# Allegro board BeagleV-FIRE_REV-A_230911.brd (continued)
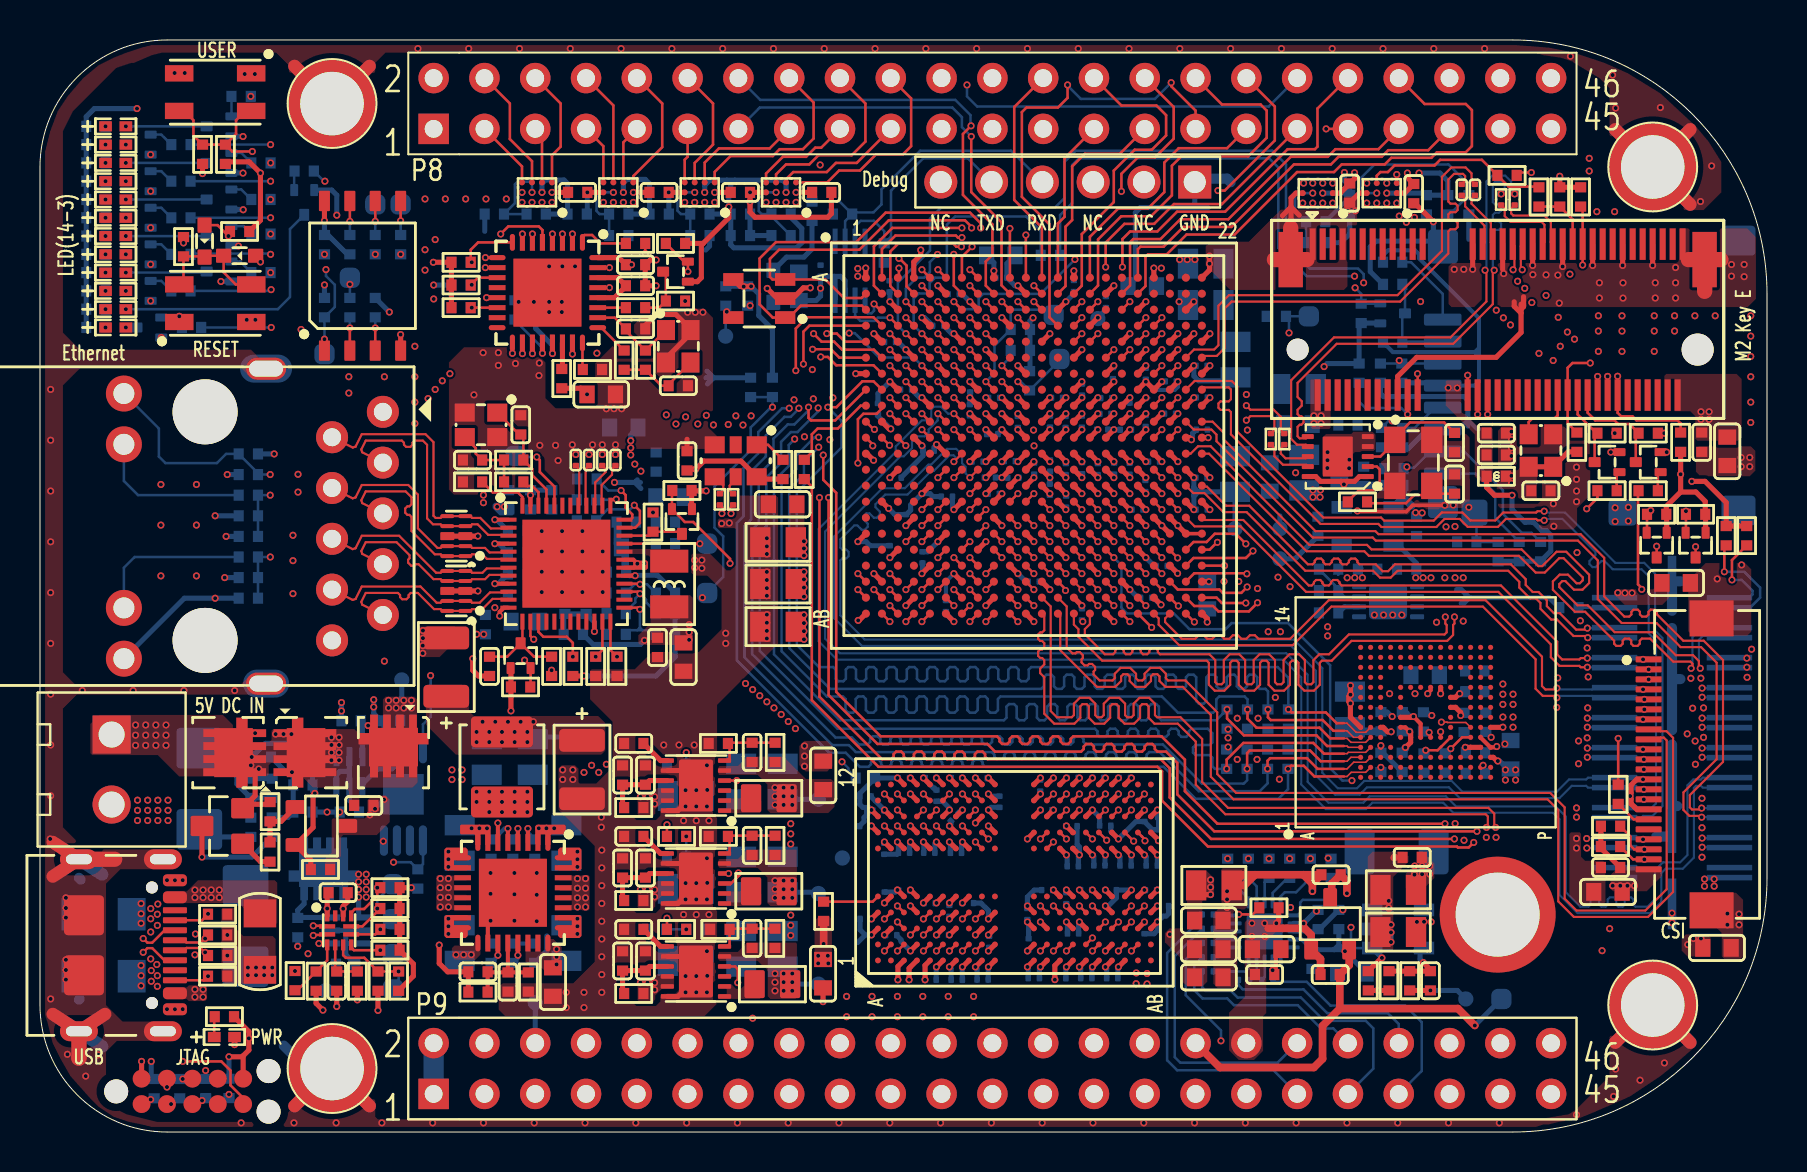
[diagram p0: board, top side]
## Nets (continued)
N8309567: C74.1 U3.C2
N8350787: R18.2 U1.E8
N8350881: R19.1 U1.F7
N8350883: R20.1 U1.E6
N8350930: R21.1 U4.2
N8351005: R22.2 U1.G10
N8351715: R25.2 U4.3(W\P\_IO2)
N8351719: R26.2 U4.7
N8364939: C96.1 R34.2 R182.2 X1.3
N8366836: R38.2 U7.4
N8366838: R37.2 U7.5
N8367372: R39.2 U7.1
N8382887: R48.2 U8.1
N8383143: R64.1 U8.24
N8383947: C105.1 R51.2 R52.2 X2.3
N8393015: C106.1 R53.1 U9.4
N8393358: C111.1 U8.20
N8393972: R62.2 TP13.1(TP) U9.8
N8393976: R59.2 TP12.1(TP) U9.7
N8393980: R58.2 TP11.1(TP) U9.6
N8393984: R57.2 R61.1 TP10.1(TP) U9.5
N8398034: R56.2 R60.1 U9.3
N8404325: C110.1 U8.28 U8.30
N8479704: R72.2 U11.11
N8479744: R73.2 U11.12
N8479810: R74.2 U11.13
N8479866: R75.2 U11.14(SDO)
N8479940: R76.2 U11.15
N8479976: R77.2 U11.16
N8483531: J9.53 R79.2 R262.1
N8483791: J9.60 Q20.2(S) R103.2
N8483949: J9.49 R173.1
N8483961: J9.47 R174.1
N8484033: C132.1 J9.37
N8484079: C133.1 J9.35
N8485397: R105.2 U1.L20
N8485437: R106.2 U1.L19
N8546386: LED6.1 R113.2
N8546388: LED13.1 R124.2
N8546390: LED4.1 R111.2
N8546392: LED10.1 R120.2
N8546394: LED11.1 R122.2
N8546396: LED8.1 R115.2
N8546398: LED14.1 R125.2
N8546400: LED3.1 R110.2
N8546402: LED5.1 R112.2
N8546404: LED12.1 R123.2
N8546406: LED9.1 R116.2
N8546408: LED7.1 R114.2
N8546538: LED12.2(C) Q14.3
N8546540: LED3.2(C) Q3.3
N8546542: LED7.2(C) Q9.3
N8546544: LED8.2(C) Q10.3
N8546546: LED5.2(C) Q5.3
N8546548: LED11.2(C) Q13.3
N8546550: LED6.2(C) Q8.3
N8546552: LED4.2(C) Q4.3
N8546628: LED9.2(C) Q11.3
N8546634: LED10.2(C) Q12.3
N8546642: LED14.2(C) Q16.3
N8546646: LED13.2(C) Q15.3
N8547432: Q4.1 R128.2
N8547443: Q5.1 R129.2
N8547450: Q8.1 R130.2
N8547457: Q9.1 R131.2
N8547464: Q10.1 R132.2
N8547471: Q11.1 R133.2
N8547478: Q12.1 R134.2
N8547485: Q13.1 R135.2
N8547496: Q14.1 R136.2
N8547505: Q15.1 R137.2
N8547512: Q16.1 R127.2
N8547620: Q3.1 R126.2
N8635511: L1.1 U13.11 U13.12 U13.13 U13.14 U13.27 U13.28 U13.29 U13.30(SW_7)
N8649729: L4.1 U20.1 U20.2(SW_1)
N8655619: C210.1 U13.21
N8655986: C208.1 C209.2 R118.1 R119.2 U13.20
N8656945: C210.2 R117.1
N8657269: C207.1 U13.19
N8661156: C211.1 U13.5
N8661333: C212.1 U13.3
N8661743: C213.1 U13.4
N8663962: C214.2 R121.2 R138.1 U20.6
N8666324: C215.1 C216.1 R143.2 U20.9
N8667397: C267.1 R100.2 R151.2 U20.4
N8667551: C217.1 U20.7
N8671550: L2.1 U18.1 U18.2(SW_1)
N8671682: C201.1 C202.1 R144.2 U18.9
N8671690: C27.2 R145.2 R146.1 U18.6
N8671822: C268.1 R101.2 R102.2 U18.4
N8671906: C218.1 U18.7
N8672918: L3.1 U19.1 U19.2(SW_1)
N8673050: C223.1 C224.1 R147.2 U19.9
N8673058: C220.2 R148.2 R149.1 U19.6
N8673274: C225.1 U19.7
N8756795: D5.2 D15.2(C) D16.2(C) SW1.2 SW1.4(B2)
N8756879: D18.2 J6.4 R255.2 U21.2
N8756917: D19.2 J6.5 U21.3
N8759792: Q6.1 R94.2
N8759844: Q7.1 R95.2
N9130688: R107.2 R153.1 U17.7
N9171751: C270.1 U17.6
N9238698: J9.58 Q19.2(S) R154.2
N9311526: R63.2 TP15.1(TP) U22.5(WP)
N9370303: LED1.1 R15.2
N9516908: R156.2 R274.1 U30.C2
N9532681: J2.8 R165.2
N9532886: J2.1 R167.2
N9600567: J8.4 R171.1
N9662314: R175.1 U28.48
N9662960: TP9.1(TP) U28.44
N9693763: TP16.1(TP) U28.33
N9878694: J4.13(YELC) R232.2
N9878723: J4.12 R233.2
N10097642: Q28.3 R212.2 R214.1
N10116085: R244.2 R275.1 U31.C2
N10117897: R245.2 R278.1 U32.C2
N10118713: R246.1 R279.1 U33.C2
N10323308: R247.1 R276.1 U34.C2
N10325048: R248.1 R277.1 U35.C2
N10444089: L6.1 U36.3
N10444145: C311.2 R251.2 R252.1 U36.5
N10515706: R254.2 U3.M6
N10544834: D17.2(C) R255.1
N10555114: P9.9 R263.2
N10796072: C321.1 U38.3 X3.1
N10796077: C322.1 R264.1 X3.3
N10796544: C323.1 C324.1 FB4.2 U38.1 U38.10
N10797068: R264.2 U38.2(XOUT)
N11055587: R266.1 U11.3
N11055591: R267.1 U11.4
N11055595: R268.1 U11.5
N11055599: R269.1 U11.6
N11055603: R270.1 U11.7
N11055607: R271.1 U11.8
N11055611: R272.1 U11.9
N11055643: R273.1 U11.10
N11068846: Q1.4 Q18.3 R141.1
N11068850: Q2.3 Q17.4 R71.1
N11068926: Q18.2 Q18.5 Q18.6 R140.1
N11068938: Q2.2 Q2.5 Q2.6 R1.1
N11074894: C325.2 Q29.4 R226.2 R282.2 R283.1
N11075006: Q30.3 R282.1
N11075022: R155.1 R226.1 R280.2 U39.2(REF)
N11075026: R227.1 R281.2 U39.1
N11075086: Q30.1 R227.2
N11143135: C328.2 Q31.4 R284.2 R285.1

Pads without a net: J3 4 7; J4 10; J5 A8 B8; J6 2 3 6; J7 18; J8 37 38; J9 3 5 6 8 9 10 11 12 13 14 15 16 17 19 21 23 38 40 42 44 46 48 59 61 64 65 66 67 68 70 71 73; U1 A16 A17 A20 A21 B19 B20 B21 B22 C16 C19 C20 C22 D12 D16 D17 D20 D21 D22 E10 E11 E13 E16 F10 F11 F12 F13 F15 G12 G13 G14 G15 G17 H12 H13 H15 H17 M2 M3 M4 M5 N1 N2 N4 N5 P1 P2 P3 P4 P6 P7 R1 R3 R4 T1 T2 T3 T7 U2 U3 U7 V1 V2 V4 V5 W1 W2 W3 W4; U2 A1 A2 A8 A11 A12 AA1 AA12 AB1 AB2 AB11 AB12 B1 B12 G11 H3 J5 K5 K8 N5 N8 P5 R3; U3 A1 A2 A7 A8 A9 A10 A11 A12 A13 A14 B1 B7 B8 B9 B10 B11 B12 B13 B14 C1 C3 C5 C7 C8 C9 C10 C11 C12 C13 C14 D1 D2 D3 D4 D12 D13 D14 E1 E2 E3 E5 E8 E9 E10 E12 E13 E14 F1 F2 F3 F10 F12 F13 F14 G1 G2 G3 G10 G12 G13 G14 H1 H2 H3 H12 H13 H14 J1 J2 J3 J12 J13 J14 K1 K2 K3 K6 K7 K10 K12 K13 K14 L1 L2 L3 L12 L13 L14 M1 M2 M3 M7 M8 M9 M10 M11 M12 M13 M14 N1 N3 N6 N7 N8 N9 N10 N11 N12 N13 N14 P1 P2 P7 P8 P9 P10 P11 P12 P13 P14; U7 2; U8 12 15 16; U9 11; U14 4; U17 5; U19 3; U20 3; U28 16 17 18 19 20 21 26 42 43

## Via types
v1: diameter 0.356, hole 0.203, TOP to BOTTOM, 1830 vias

## Routing (per net, layer and track width the routed paths; a pad name or vN(x,y) marks a point on that pad's centre or on a via; arc(x,y) is an arc through that point)
3V3_SD_CS: length 5
  BOTTOM w0.127: D12.2 68.26,42.26 Q27.3 68.12,40.8 R209.2 68.15,39.53 J2.2
3V3_USB0_RESETB: length 1.4
  TOP w0.127: U8.27 R214.2
AGND: length 6.4
  TOP w0.254: 61.9,10.44 v1(61.82,10.44) 61.94,10.55 R273.2
  TOP w0.381: 1.2 61.42,10.19
  L11_GND5 w0.762: 59.48,5.29 P9.34 ; P9.34 59.48,3.6 ; P9.34 61.17,3.6 ; P9.34 61.17,5.29
  vias: v1(60.6,10.44) v1(60.6,9.79) v1(61.24,10.44) v1(61.24,9.78)
AVDD3V3: length 2.3
  TOP w0.203: U28.1 v1(22.74,30.62) ; v1(22.99,25.81) 22.99,26.01 23.2,26.22 U28.12
  BOTTOM w0.254: v1(22.74,30.62) 22.84,30.62 C288.1 ; v1(22.74,26.22) 22.77,26.22
AVDD10: length 5.7
  TOP w0.203: U28.47 v1(24.52,31.85) ; U28.4 v1(22.74,29.42) ; U28.9 v1(22.74,27.42)
  BOTTOM w0.254: C283.1 22.92,27.42 v1(22.74,27.42) ; R234.1 C99.1 C285.1 ; C284.1 22.94,29.42 v1(22.74,29.42)
  vias: v1(22.17,31.85) v1(22.17,31.47)
DVDD10: length 3.6
  TOP w0.203: U28.22 v1(27.72,25.03)
  BOTTOM w0.254: R221.2 26.19,25.85 C93.1 C92.1 27.72,25.49 v1(27.72,25.03)
GND: length 566.4
  TOP w0.127: v1(70.04,20.02) U3.J5
  TOP w0.178: v1(65.88,31.06) 65.89,31.06 65.93,31.02 68.32,31.02 68.64,31.34 70.25,31.34 ; U1.U22 U1.U21
  TOP w0.203: U13.33 22.4,10.71 U13.18 ; v1(69.39,21.92) 69.39,21.95 69.54,22.09 U3.H10 ; v1(72.85,19.28) 72.81,19.24 U3.P4 72.53,19.24 72.04,19.73 U3.N5 ; v1(72.16,18.34) 72.06,18.24 U3.N2 ; v1(68.68,20.78) 69.04,20.42 U3.G5
  TOP w0.254: U2.AB8 v1(55.88,13.85) ; U2.AB5 v1(55.88,12.1) ; U2.C1 42.9,8.28 v1(42.9,7.61) ; U33.D2 62.8,46.95 62.56,46.71 62.56,46.25 ; U1.G22 v1(58.5,38.32) ; U2.Y5 v1(54.58,12.1) ; U2.C12 v1(42.88,17.7) ; v1(36.37,42.19) 36.87,41.68 U22.2 37.64,41.68 38.17,42.21 v1(38.52,42.21) ; 74.19,41.77 74.19,41.27 74.06,41.15 ; U1.N10 v1(48.1,32.72) ; U1.G6 44.91,38.32 v1(44.91,38.33) ; U3.K8 70.79,21.24 71.04,20.98 v1(71.04,20.83) ; U2.J1 v1(46.78,8.25) ; U2.E1 44.26,8.34 v1(44.26,7.61) ; Q7.2 v1(81.34,34) ; U1.E20 v1(56.9,39.92) ; U3.A6 65.53,20.75 v1(65.53,21.44) 65.45,21.51 65.45,21.79 v1(65.53,21.87) v1(65.53,22.33) ; U2.C5 v1(42.88,12.1) ; v1(41.68,33.59) 41.35,33.92 U1.M1 ; J9.63 v1(79.14,43.34) ; U1.T18 v1(55.3,30.32) ; U1.K13 v1(51.3,35.92) ; U1.Y7 v1(45.7,27.92) ; v1(32.28,16.28) 32.11,16.28 31.9,16.08 U19.12 ; R66.2 R68.2 R70.2 v1(19.67,43.49) ; U1.P20 v1(56.9,31.92) ; U18.8 32.05,13.43 U18.13 ; C107.2 15.39,11.53 15.16,11.3 v1(15.16,11.17) U9.10 ; v1(58.48,43.8) v1(58.48,43.42) 58.48,43.11 U1.A22 ; J7.16 79.85,16.14 79.73,16.26 79.73,16.26 79.6,16.38 79.56,16.42 79.56,16.65 79.51,16.7 v1(79.51,16.8) 79.51,16.9 79.56,16.95 79.56,17.35 79.85,17.63 v1(80.16,17.63) J7.13 ; U1.R22 v1(58.5,31.12) ; U2.V1 v1(52.63,8.25) ; v1(68.68,20.78) 68.58,20.78 68.54,20.74 U3.E7 ; v1(31.44,46.99) U32.D2 ; v1(32.28,11.63) 32.11,11.63 31.9,11.43 U18.12 ; U1.W10 v1(48.9,27.92) ; U2.E12 v1(44.18,17.7) ; U1.T19 v1(56.1,30.32) U1.U20 ; U35.D2 65.98,46.95 C306.2 ; U1.K9 v1(47.3,35.92) ; J7.19 v1(80.16,14.63) ; J7.1 v1(80.16,23.63) ; U1.Y17 v1(54.5,27.12) ; U1.M13 v1(51.3,33.52) ; U2.K11 v1(47.43,16.9) ; U1.L16 v1(53.7,35.12) ; U2.G12 v1(45.48,17.7) ; v1(10.34,40.62) 10.45,40.51 SW1.3 ; U2.T3 v1(51.33,10.5) ; U1.D5 v1(44.1,40.72) ; v1(30.81,42.32) C110.2 C112.2 30.28,43.37 30.52,43.61 v1(30.81,43.61) ; C307.2 39.57,45.92 39.39,45.74 35.76,45.74 35.51,46 v1(35.51,46.52) v1(35.51,46.99) U34.D2 ; 62.56,46.25 62.97,45.85 ; 62.56,46.25 62.13,45.82 ; 62.56,46.25 62.56,45.72 ; v1(21.9,29.8) D2.3 D2.8 ; U1.P13 v1(51.3,31.92) ; U2.AB3 v1(55.88,10.5) ; U2.E8 v1(44.18,14.5) ; U20.8 32.05,8.78 U20.13 ; 73.72,41.52 73.72,41.3 74.06,40.95 ; 74.06,41.15 74.06,40.95 ; 74.06,41.15 74.06,41.4 ; 74.06,40.95 74.06,39.98 72.82,38.74 68.84,38.74 67.89,37.79 J9.18 ; U2.D2 v1(43.53,9.05) ; R60.2 13.81,6.44 v1(14.15,6.1) ; U2.Y1 v1(53.93,8.25) ; U2.V5 v1(52.63,12.1) ; v1(56.89,27.94) U1.W20 ; U1.F9 v1(47.3,39.12) ; C98.2 32.36,34.64 ; X2.2 31.3,38.69 32.53,39.92 X2.4 32.53,40.15 31.8,40.88 30.81,40.88 30.26,40.34 C104.2 ; U1.K15 v1(52.9,35.92) ; U2.J10 v1(46.78,15.45) ; U1.M11 v1(48.9,33.52) ; v1(44.04,44.11) 44.04,43.86 43.69,43.51 43.69,42.73 U1.A4 ; v1(73.15,20.24) 73.15,20.24 U3.P6 ; J7.4 v1(80.16,22.14) ; U1.V13 v1(51.3,28.72) ; U1.AB1 40.96,25.58 v1(40.91,25.58) ; C309.2 68.75,46.44 v1(69.67,45.52) ; U1.P9 v1(47.3,31.92) ; U1.T20 v1(56.9,30.32) U1.U21 ; U1.C18 v1(55.3,41.52) ; LED1.2 v1(9.73,4.37) ; R253.2 v1(66.9,7.08) R252.2 ; U1.A14 v1(51.7,43.06) ; v1(80.64,43.34) J9.69 ; U1.K20 v1(56.9,35.92) ; U1.U6 v1(44.9,29.52) ; J7.10 v1(80.16,19.14) ; U1.E21 v1(57.7,39.92) ; J3.10 v1(5.08,3.53) ; U2.C8 v1(42.88,14.5) ; U2.K4 v1(47.43,10.65) ; D9.1 v1(8.13,47.93) ; U1.H3 v1(42.5,37.52) ; R61.2 v1(16.9,6.08) ; U2.D4 v1(43.53,11.3) ; U1.N18 v1(55.3,32.72) ; U1.U16 v1(53.7,29.52) ; v1(21.64,23.67) 21.64,23.09 21.92,22.81 C298.2 ; J3.2 v1(6.55,1.4) ; U2.K2 v1(47.43,9.05) ; v1(27.37,46.99) U31.D2 ; U1.L14 v1(52.1,35.12) ; U1.C8 v1(46.5,41.52) ; U2.N4 v1(49.38,11.3) ; U2.T10 v1(51.98,16.1) ; U1.L4 v1(44.1,34.32) ; J9.33 v1(71.64,43.14) ; U1.K11 v1(48.9,35.92) ; U2.P10 v1(50.68,16.1) ; U1.P15 v1(52.9,31.92) ; J9.39 73.14,43.14 ; C59.2 v1(39.16,6.52) ; U1.AB11 v1(49.7,25.52) ; U2.W11 v1(53.93,16.9) ; J7.7 v1(80.16,20.63) ; v1(58.37,25.5) 58.37,25.67 58.12,25.92 U1.AB22 ; U2.V8 v1(53.28,13.85) ; U1.L10 v1(48.1,35.12) ; U2.T12 v1(51.98,17.7) ; U1.J16 v1(53.7,36.72) ; U2.Y8 v1(54.58,13.85) ; 70.21,31.38 v1(70.25,31.34) ; U1.M17 v1(54.5,33.52) ; U2.J12 v1(46.78,17.7) ; U2.W4 v1(53.28,11.3) ; U1.E2 v1(41.7,39.92) ; U1.E22 v1(58.5,39.92) ; U2.P3 v1(50.03,10.5) ; U2.AB10 v1(55.88,16.1) ; U2.D11 v1(43.53,16.9) ; U1.AA4 v1(43.3,26.32) ; U2.P1 v1(50.03,8.25) ; D5.1 v1(7.18,44.46) ; U1.J8 v1(46.5,36.72) ; C106.2 v1(14.84,6.28) ; U2.A3 v1(41.58,9.85) ; U1.L22 v1(58.41,34.72) ; J9.45 v1(74.64,43.34) ; U1.AA14 v1(52.1,26.32) ; U1.F19 v1(56.1,39.12) ; U19.8 32.05,18.08 U19.13 ; U2.E5 v1(44.18,11.45) ; U1.V3 v1(42.5,28.72) ; U1.P17 v1(54.5,31.92) ; U1.D15 v1(52.9,40.72) ; U1.G16 v1(53.7,38.32) ; U2.T5 v1(51.33,12.1) ; v1(41.29,43.2) 41.29,43.2 41.29,42.73 U1.A1 ; U1.K17 v1(54.5,35.92) ; U2.V12 v1(53.28,17.7) ; 63.24,10.19 63.19,10.24 v1(63.19,10.43) ; U1.E12 v1(50.5,39.92) ; U1.F20 v1(56.9,39.12) ; U2.G1 v1(45.48,8.25) ; U1.P11 v1(49.7,32.72) ; U1.J22 v1(58.5,36.72) ; U1.H20 v1(56.9,37.52) ; Q6.2 v1(78.55,34) ; J9.51 v1(76.14,43.28) ; U1.G18 v1(55.3,38.32) ; U1.J12 v1(50.5,36.72) ; U2.G3 v1(45.48,9.85) ; U20.12 31.9,6.78 32.11,6.98 v1(32.28,6.98) ; U2.D9 v1(43.53,15.3) ; 18.03,39.08 v1(18.03,39.88) ; U1.M20 v1(56.9,33.52) ; U2.G10 v1(46.13,16.1) ; U2.P12 v1(50.68,17.7) ; U1.R2 v1(42.44,31.18) ; SW1.1 v1(6.97,40.79) ; U1.B11 v1(48.9,42.32) ; U1.M19 v1(56.1,33.52) ; U1.N22 v1(58.5,32.72) ; U1.J10 v1(48.1,36.72) ; U1.J14 v1(52.1,36.72) ; U2.K9 v1(47.43,15.3) ; U2.Y12 v1(54.58,17.7) ; U2.T8 v1(51.98,13.85) ; J9.57 v1(77.64,43.34) ; U1.N16 v1(53.7,32.72) ; U1.N12 v1(50.5,32.72) ; U1.L12 v1(50.5,35.12) ; U2.G8 v1(45.48,14.5) ; U1.F18 v1(55.3,39.12) ; U1.P5 v1(44.1,31.92) ; U2.A10 v1(41.58,16.1) ; U1.L18 v1(55.3,35.12) ; U2.G5 v1(45.48,11.45) ; v1(21.9,27.06) D1.3 D1.8 ; U2.N9 v1(49.38,14.65) ; U2.W2 v1(53.28,9.05) ; U1.M9 v1(47.3,33.52) ; U1.M15 v1(52.9,33.52) ; U1.R18 v1(55.3,31.12) ; U2.W9 v1(53.93,14.65) ; U2.T1 v1(51.33,8.25) ; U2.N2 v1(49.38,9.05) ; U1.T9 v1(48.1,30.32) ; U2.J3 v1(46.78,9.85) ; U2.N11 v1(50.03,16.9) ; U1.N14 v1(52.1,32.72)
  TOP w0.381: 1.1 63.24,10.19 63.57,9.86 U16.1 64.03,8.65 C121.2 ; 60.76,12.87 60.22,12.33 C168.2 60.12,12.87 60.76,12.87 ; 60.76,12.87 63.18,12.87 ; 63.63,12.42 C120.2 63.18,12.87 ; 63.63,12.42 v1(63.63,12.04) ; 63.63,12.42 63.18,12.87 ; 67.73,13.73 67.72,13.72
  TOP w0.762: 83.24,42.04 J9.77 ; J9.77 84.05,43.63 ; J9.77 82.43,43.63 ; 61.73,43.63 J9.76 ; J9.76 62.54,45.22 ; J9.76 63.35,43.63
  L2_GND1 w0.762: 18.69,2.9 P9.1 20.68,2.9 ; 18.69,49.17 P8.1 ; P8.1 20.68,51.16 ; P8.1 20.68,49.17 ; 20.44,51.95 P8.2 18.93,51.95 ; P9.2 20.44,5.2 ; P9.2 18.93,5.2 ; P9.2 18.93,3.69 ; P9.2 20.44,3.69 ; 16.37,35.24 J4.1 ; J4.1 17.92,36.79 ; J4.1 17.92,35.24 ; J4.1 16.37,36.79 ; 74.81,2.66 P9.45 76.32,2.66 ; J1.2 4.47,15.49 ; J1.2 2.7,15.49 ; J1.2 4.47,17.26 ; J1.2 2.7,17.26 ; 70.63,13.14 MH4.1 ; MH4.1 75.15,8.61 ; MH4.1 75.15,13.14 ; MH4.1 70.63,8.61 ; 74.81,5.2 P9.46 ; P9.46 76.32,3.69 ; P9.46 74.81,3.69 ; P9.46 76.32,5.2 ; 72.27,3.69 P9.44 ; P9.44 73.78,3.69 ; P9.44 73.78,5.2 ; 72.27,2.66 P9.43 73.78,2.66 ; J6.1 58.8,48.56 ; J6.1 56.69,48.56 ; J6.1 56.69,46.45
  L4_GND2 w0.762: 20.44,51.95 P8.2 18.93,51.95 ; 70.63,8.61 MH4.1 ; MH4.1 75.15,8.61 ; MH4.1 75.15,13.14 ; MH4.1 70.63,13.14 ; P9.46 76.32,3.69 ; P9.46 76.32,5.2 ; P9.46 74.81,5.2 ; P9.46 74.81,3.69 ; 20.68,2.9 P9.1 18.69,2.9 ; 18.93,5.2 P9.2 ; P9.2 18.93,3.69 ; P9.2 20.44,5.2 ; P9.2 20.44,3.69 ; J6.1 58.8,48.56 ; J6.1 56.69,46.45 ; J6.1 56.69,48.56 ; 72.27,2.66 P9.43 73.78,2.66 ; J4.1 17.92,35.24 ; J4.1 17.92,36.79 ; J4.1 16.37,35.24 ; J4.1 16.37,36.79 ; 2.7,17.26 J1.2 ; J1.2 4.47,15.49 ; J1.2 2.7,15.49 ; J1.2 4.47,17.26 ; 18.69,49.17 P8.1 ; P8.1 20.68,49.17 ; P8.1 20.68,51.16 ; 74.81,2.66 P9.45 76.32,2.66 ; 72.27,3.69 P9.44 ; P9.44 73.78,3.69 ; P9.44 73.78,5.2
  L6_GND3 w0.762: 76.32,2.66 P9.45 74.81,2.66 ; 2.7,15.49 J1.2 ; J1.2 4.47,17.26 ; J1.2 2.7,17.26 ; J1.2 4.47,15.49 ; 18.93,3.69 P9.2 ; P9.2 18.93,5.2 ; P9.2 20.44,3.69 ; P9.2 20.44,5.2 ; 20.44,51.95 P8.2 18.93,51.95 ; 74.81,5.2 P9.46 ; P9.46 76.32,3.69 ; P9.46 74.81,3.69 ; P9.46 76.32,5.2 ; 18.69,49.17 P8.1 ; P8.1 20.68,51.16 ; P8.1 20.68,49.17 ; P9.44 73.78,5.2 ; P9.44 72.27,3.69 ; P9.44 73.78,3.69 ; 20.68,2.9 P9.1 18.69,2.9 ; MH4.1 75.15,13.14 ; MH4.1 70.63,8.61 ; MH4.1 70.63,13.14 ; MH4.1 75.15,8.61 ; 73.78,2.66 P9.43 72.27,2.66 ; 56.69,48.56 J6.1 ; J6.1 56.69,46.45 ; J6.1 58.8,48.56 ; J4.1 17.92,35.24 ; J4.1 16.37,36.79 ; J4.1 17.92,36.79 ; J4.1 16.37,35.24
  L9_GND4 w0.762: P9.2 20.44,5.2 ; P9.2 20.44,3.69 ; P9.2 18.93,5.2 ; P9.2 18.93,3.69 ; 72.27,3.69 P9.44 ; P9.44 73.78,5.2 ; P9.44 73.78,3.69 ; 74.81,3.69 P9.46 ; P9.46 76.32,5.2 ; P9.46 76.32,3.69 ; P9.46 74.81,5.2 ; 18.69,49.17 P8.1 ; P8.1 20.68,49.17 ; P8.1 20.68,51.16 ; 56.69,48.56 J6.1 ; J6.1 58.8,48.56 ; J6.1 56.69,46.45 ; 16.37,36.79 J4.1 ; J4.1 17.92,35.24 ; J4.1 17.92,36.79 ; J4.1 16.37,35.24 ; 20.44,51.95 P8.2 18.93,51.95 ; 73.78,2.66 P9.43 72.27,2.66 ; 20.68,2.9 P9.1 18.69,2.9 ; J1.2 4.47,15.49 ; J1.2 4.47,17.26 ; J1.2 2.7,17.26 ; J1.2 2.7,15.49 ; 76.32,2.66 P9.45 74.81,2.66
  L11_GND5 w0.762: 20.68,2.9 P9.1 18.69,2.9 ; 18.93,5.2 P9.2 ; P9.2 20.44,5.2 ; P9.2 20.44,3.69 ; P9.2 18.93,3.69 ; 2.7,17.26 J1.2 ; J1.2 4.47,15.49 ; J1.2 2.7,15.49 ; J1.2 4.47,17.26 ; P9.44 73.78,3.69 ; P9.44 72.27,3.69 ; P9.44 73.78,5.2 ; P9.46 76.32,5.2 ; P9.46 74.81,3.69 ; P9.46 76.32,3.69 ; P9.46 74.81,5.2 ; 72.27,2.66 P9.43 73.78,2.66 ; J4.1 17.92,36.79 ; J4.1 16.37,36.79 ; J4.1 17.92,35.24 ; J4.1 16.37,35.24 ; P8.1 20.68,51.16 ; P8.1 18.69,49.17 ; P8.1 20.68,49.17 ; 56.69,46.45 J6.1 ; J6.1 58.8,48.56 ; J6.1 56.69,48.56 ; 20.44,51.95 P8.2 18.93,51.95 ; 76.32,2.66 P9.45 74.81,2.66
  BOTTOM w0.203: v1(45.7,27.92) 45.3,27.52 C258.2 ; v1(56.9,37.52) 56.9,37.27 56.74,37.11 56.59,37.11 56.59,37.11 55.75,37.11 C171.2 ; 71.96,35.15 71.86,35.15 71.4,35.61 70.91,35.13 J2.6
  BOTTOM w0.254: C81.2 v1(9.45,1.88) ; v1(52.1,32.72) 52.11,32.73 C164.2 ; v1(46.78,8.25) 46.86,8.17 C21.2 ; v1(31.44,46.99) 31.45,46.98 C301.1 ; v1(48.1,35.12) 47.9,34.92 C184.2 ; C254.2 43.07,32.73 44.15,33.82 C246.2 44.15,34.27 v1(44.1,34.32) ; 81.86,16.3 82.01,16.3 82.02,16.31 ; C17.2 49.72,12.1 49.38,11.76 v1(49.38,11.3) ; v1(46.5,41.52) 46.12,41.9 C235.2 ; R117.2 25.34,9.06 25.34,9.8 ; C197.2 62.76,28.66 TP25.1 ; 71.48,26.72 71.07,27.13 70.84,27.13 ; 71.48,26.72 71.2,26.44 71.07,26.44 ; 71.48,26.72 75.47,26.72 R171.2 ; 71.48,26.72 71.25,26.72 ; 69.88,44.55 66.8,44.55 66.52,44.27 66.52,43.03 D12.1 ; 69.88,44.55 69.67,44.76 v1(69.67,45.52) 69.33,45.86 C310.1 ; 69.88,44.55 J2.S1 ; C12.2 49.98,8.2 v1(50.03,8.25) ; 57.73,46.23 57.74,46.24 J6.1 ; 57.73,46.23 55.03,46.23 54.78,45.97 54.78,42.67 C238.2 ; 57.73,46.23 58.42,46.23 ; v1(14.84,45.85) 14.84,46.85 14.59,47.1 Q15.2 ; v1(47.43,9.05) 47.46,9.09 C30.2 ; 33.68,37.72 33.38,37.41 ; 33.68,37.72 33.3,37.72 ; 33.68,37.72 33.35,38.05 ; 33.68,37.72 C226.2 ; C166.2 50.5,32.72 v1(50.5,32.72) 50.51,32.73 C148.2 ; v1(44.9,29.52) 44.39,29.02 C253.2 ; C14.2 44.19,14.49 v1(44.18,14.5) ; v1(16.69,21.62) v1(16.69,21.25) 16.69,20.93 C109.2 17.2,20.42 U10.1 ; v1(64.39,34) 64.42,33.96 64.64,33.96 ; v1(67.05,19.32) C74.2 67.15,18.97 C66.2 ; C38.2 53.9,8.23 v1(53.93,8.25) ; v1(10.16,46.12) 10.16,46.13 Q9.2 ; 41.45,16.23 41.15,16.23 41,16.38 C49.2 41,16.94 R2.2 41.76,17.7 v1(42.88,17.7) ; 41.45,16.23 v1(41.58,16.1) 41.34,15.86 ; 41.45,16.23 41.34,16.12 41.34,15.86 ; C48.2 51.38,10.45 v1(51.33,10.5) ; C237.2 42.12,39.51 v1(41.7,39.92) ; C305.1 65.49,44.92 65.05,44.48 R279.2 ; v1(10.15,49.78) 10.15,49.79 Q3.2 ; 71.4,35.31 71.4,36.6 71.22,36.78 67.18,36.78 67.03,36.93 D11.1 ; C256.2 44.65,31.78 44.51,31.92 v1(44.1,31.92) 43.54,31.36 43.54,31.09 43.32,30.88 C255.2 42.74,30.88 v1(42.44,31.18) ; C269.2 v1(35.51,41.33) ; C44.2 42.84,9.83 43.06,9.61 43.06,9.52 v1(43.53,9.05) ; C33.2 47.05,11.45 47.43,11.07 v1(47.43,10.65) ; C229.2 49.3,27.53 v1(48.9,27.92) ; v1(54.58,13.85) 54.56,13.84 C51.2 ; R16.2 5.56,2.8 v1(5.56,3.53) ; C26.2 44.73,17.2 44.68,17.2 v1(44.18,17.7) ; 41.34,15.86 41.21,15.73 41.21,15.53 40.99,15.31 C57.2 ; v1(54.5,27.12) 54.9,26.72 C232.2 ; C41.2 55.87,13.85 v1(55.88,13.85) ; v1(47.43,16.9) 47.54,16.79 C31.2 ; v1(35.51,46.99) v1(35.51,46.52) C303.1 C308.1 R276.2 ; v1(52.63,8.25) 52.6,8.23 C4.2 ; v1(6.55,1.4) 6.84,1.69 R17.2 ; v1(51.33,8.25) 51.3,8.23 C25.2 ; R179.2 v1(9.24,27.72) ; R71.2 v1(12.89,9.29) ; v1(53.28,11.3) 53.42,11.3 53.83,11.71 C43.2 54.57,12.1 v1(54.58,12.1) ; Q5.2 10.14,47.96 v1(10.15,47.96) ; v1(56.89,27.94) 56.52,28.31 C228.2 ; C242.2 48.35,43.43 C234.2 48.75,42.32 v1(48.9,42.32) ; C18.2 56.44,10.92 56.31,10.79 56.17,10.79 v1(55.88,10.5) 55.89,10.49 55.89,10.1 55.71,9.92 C53.2 ; C245.2 v1(58.37,25.5) ; C46.2 53.55,15.04 v1(53.93,14.65) 54.8,15.53 C50.2 55.63,15.12 C22.2 55.93,15.64 55.88,15.7 v1(55.88,16.1) ; 33.29,44.11 33.48,44.3 R278.2 ; v1(53.28,13.85) 53.26,13.83 C19.2 ; C240.2 44.23,40.72 v1(44.1,40.72) ; C28.2 45.52,14.46 v1(45.48,14.5) ; 41.27,9.85 40.88,9.47 ; 41.27,9.85 41.01,10.11 C55.2 ; 41.27,9.85 v1(41.58,9.85) ; v1(42.88,14.5) 42.93,14.46 C36.2 42.85,13.89 C56.2 ; U11.17 v1(63.19,10.43) 63.86,11.11 C127.2 ; C244.2 41.9,36.93 v1(42.5,37.52) 42.89,37.13 C243.2 ; R285.2 8.35,14.75 D25.1 ; 7.07,15.88 7.16,15.97 ; 64.64,33.96 C324.2 65.14,33.96 v1(65.48,33.62) ; 64.64,33.96 64.38,33.71 v1(64.38,33.59) ; C24.2 51.92,13.8 v1(51.98,13.85) 51.98,14.26 51.86,14.38 C7.2 ; v1(67.61,20.78) 67.59,20.78 67.37,21 C67.2 ; C173.2 53.69,35.13 v1(53.7,35.12) 53.7,35.12 C163.2 ; C54.2 42.77,12 v1(42.88,12.1) ; v1(68.68,20.78) 68.53,20.78 68.31,21 C63.2 ; C179.2 46.5,36.72 v1(46.5,36.72) 46.51,36.74 C176.2 ; R277.2 71.45,44.64 ; v1(16.5,15.86) 16.5,15.92 v1(17.2,16.62) 17.91,16.62 U10.9 ; C231.2 v1(51.7,43.06) ; v1(67.56,9.98) v1(67.56,9.5) ; v1(14.99,16) v1(14.36,16) R283.2 ; C165.2 48.1,32.72 v1(48.1,32.72) 48.09,32.73 C187.2 ; Q13.2 v1(9.05,42.54) ; 68.1,34.17 68.41,34.17 69.37,35.13 J2.6 ; C233.2 53.3,41.12 v1(52.9,40.72) ; v1(27.37,46.99) 27.37,45.93 C273.1 ; v1(15.07,21.48) v1(15.07,21.06) R141.2 ; v1(69.6,20.83) 69.52,20.83 69.35,20.99 R14.2 ; R222.2 v1(9.36,32.88) ; v1(46.13,16.1) 45.97,15.95 C2.2 ; v1(45.48,8.25) 45.56,8.17 C32.2 ; R274.2 22.24,45.04 ; R223.2 v1(9.31,29.79) ; Q11.2 v1(9.92,44.31)
  BOTTOM w0.508: J6.1 57.91,47.68 59.36,47.68 59.54,47.5 ; 81.61,26.07 J8.41 82.03,27.54 ; J8.42 82.03,22.65 ; J8.42 81.61,25.2 ; J8.42 81.61,20.1 ; 81.61,19.38 J8.43 81.86,16.3 ; 80.82,14.78 81.53,14.78
  BOTTOM w1.016: P9.1 P9.2
  vias: v1(4.88,16.59) v1(4.88,16.09) v1(4.88,15.58) v1(5.05,11.43) v1(5.05,10.92) v1(5.05,10.44) v1(5.05,8.33) v1(5.05,7.82) v1(5.05,7.31) v1(5.38,16.59) v1(5.38,16.09) v1(5.38,15.58) v1(5.53,48.88) v1(5.53,47.05) v1(5.53,45.22) v1(5.53,43.39) v1(5.53,41.56) v1(5.54,11.17) v1(5.54,10.66) v1(5.54,10) v1(5.54,8.66) v1(5.56,8.07) v1(5.56,7.54) v1(5.84,8.38) v1(5.89,16.59) v1(5.89,16.09) v1(5.89,15.58) v1(5.89,11.4) v1(5.87,10.89) v1(5.87,10.33) v1(5.87,7.82) v1(5.87,7.28) v1(6.05,32.38) v1(6.05,30.35) v1(6.05,27.81) v1(6.06,39.73) v1(6.35,12.59) v1(6.35,6.14) v1(6.4,16.59) v1(6.4,16.09) v1(6.4,15.58) v1(6.73,52.96) v1(6.75,12.59) v1(6.75,6.14) v1(7.14,12.59) v1(7.14,6.14) v1(7.24,52.96) v1(7.75,8.86) v1(7.82,32.38) v1(7.82,30.35) v1(7.82,27.81) v1(7.77,9.9) v1(9.37,9.85) v1(9.37,8.82) v1(10.24,52.91) v1(10.4,8.22) v1(10.4,7.84) v1(10.74,52.91) v1(10.77,40.62) v1(10.8,8.22) v1(10.8,7.84) v1(11.21,8.22) v1(11.21,7.84) v1(11.62,8.22) v1(11.62,7.84) v1(12.65,29.84) v1(12.65,28.57) v1(12.65,26.92) v1(12.9,32.89) v1(12.9,32) v1(13.06,40.13) v1(13.4,8.92) v1(14.23,43.89) v1(15.44,37.77) v1(15.44,36.95) v1(16.75,16.16) v1(17.22,37.77) v1(17.22,23.55) v1(18.75,39.29) v1(18.75,37.77) v1(18.75,36.5) v1(18.75,35.43) v1(19.15,25.08) v1(19.15,24.7) v1(19.14,24.32) v1(19.14,23.94) v1(19.25,46.66) v1(19.25,44.12) v1(19.25,43.1) v1(19.69,41.66) v1(19.76,44.63) v1(20.27,46.66) v1(20.42,14.02) v1(20.42,13.64) v1(20.42,13.26) v1(20.42,10.67) v1(20.42,10.29) v1(20.42,9.91) v1(20.6,18.11) v1(20.6,17.63) v1(21.11,18.11) v1(21.11,17.63) v1(21.29,46.66) v1(21.7,36.86) v1(22.16,38.97) v1(22.3,46.66) v1(22.53,12.95) v1(22.53,11.91) v1(22.53,10.57) v1(22.92,38.97) v1(22.92,38.34) v1(23.32,46.66) v1(23.72,12.95) v1(23.72,11.89) v1(23.72,10.57) v1(23.77,38.43) v1(23.94,41.51) v1(24.1,46.99) v1(24.7,41.51) v1(24.84,12.95) v1(24.84,11.86) v1(24.84,10.54) v1(24.95,37.83) v1(24.97,38.46) v1(24.99,34.34) v1(25.09,30.05) v1(25.09,29.03) v1(25.09,28.02) v1(25.09,27) v1(25.46,43.29) v1(25.46,41.51) v1(25.46,41) v1(25.78,34.34) v1(25.91,33.58) v1(26.12,43.29) v1(26.09,41.51) v1(26.09,41) v1(26.11,30.05) v1(26.11,29.03) v1(26.11,28.02) v1(26.11,27) v1(26.14,18.11) v1(26.14,17.63) v1(26.31,6.98) v1(26.31,6.22) v1(26.62,34.37) v1(26.64,18.11) v1(26.64,17.63) v1(26.75,43.29) v1(26.87,14.02) v1(26.87,13.64) v1(26.87,13.26) v1(26.87,10.67) v1(26.87,10.29) v1(26.87,9.91) v1(27.12,30.05) v1(27.12,29.03) v1(27.12,28.02) v1(27.12,27) v1(27.2,6.98) v1(27.2,6.22) v1(27.63,34.37) v1(28.12,34.37) v1(28.14,29.03) v1(28.14,28.02) v1(28.14,27) v1(28.07,15.75) v1(28.07,15.24) v1(28.09,14.1) v1(28.09,13.21) v1(28.09,12.32) v1(28.09,11.43) v1(28.09,10.54) v1(28.09,9.65) v1(28.09,8.76) v1(28.09,7.87) v1(28.09,6.98) v1(28.32,36.17) v1(28.7,36.17) v1(28.78,34.37) v1(29.08,36.17) v1(31.19,19.35) v1(31.95,19.35) v1(32.18,15.57) v1(32.18,10.87) v1(32.28,17.09) v1(32.28,12.45) v1(32.28,7.8) v1(32.39,41) v1(32.74,28.6) v1(32.74,28.22) v1(32.72,19.35) v1(32.77,41) v1(32.82,17.09) v1(32.82,16.28) v1(32.82,15.57) v1(32.82,12.45) v1(32.82,11.63) v1(32.82,10.87) v1(32.82,7.8) v1(32.82,6.98) v1(33.15,41) v1(33.1,28.6) v1(33.1,28.19) v1(33.35,18.34) v1(33.35,16.28) v1(33.35,13.69) v1(33.35,11.63) v1(33.35,9.04) v1(33.35,6.98) v1(33.37,17.11) v1(33.45,15.57) v1(33.37,12.46) v1(33.45,10.87) v1(33.37,7.81) v1(34.09,30.43) v1(34.29,24.94) v1(34.29,24.43) v1(34.47,30.45) v1(36.35,29.69) v1(36.35,29.29) v1(36.35,28.91) v1(36.35,28.01) v1(36.35,27.6) v1(36.35,27.2) v1(36.35,26.82) v1(36.35,25.87) v1(36.35,25.47) v1(36.35,25.06) v1(36.35,24.68) v1(37.54,15.42) v1(37.54,14.91) v1(37.54,14.4) v1(37.54,10.85) v1(37.54,10.34) v1(37.54,9.83) v1(37.71,36.61) v1(38.23,34.77) v1(38.23,19.31) v1(38.23,18.8) v1(38.23,18.29) v1(38.62,38.13) v1(38.67,36.66) v1(39.01,48.36) v1(39.5,34.62) v1(39.65,36.72) v1(40.34,6.78) v1(40.34,5.77) v1(40.89,43.18) v1(40.89,42.8) v1(41.61,6.78) v1(41.61,5.77) v1(42.88,6.78) v1(42.88,5.77) v1(44.15,6.78) v1(44.15,5.77) v1(45.42,6.78) v1(45.42,5.77) v1(46.69,6.78) v1(46.69,5.77) v1(54.82,7.96) v1(54.81,7.42) v1(55.36,7.93) v1(55.36,7.4) v1(59.36,12.04) v1(59.36,11.63) v1(59.36,11.23) v1(59.87,20.69) v1(59.87,18.63) v1(60.33,36.88) v1(60.38,35.1) v1(60.91,20.69) v1(60.86,18.63) v1(61.77,21.73) v1(61.98,17.64) v1(62.53,11.23) v1(63.83,11.05) v1(64.37,33.2) v1(64.39,25.27) v1(64.39,24.81) v1(65.39,46.06) v1(65.46,33.19) v1(65.77,46.06) v1(66.73,25.86) v1(67.18,25.86) v1(67.44,11.56) v1(67.44,11.2) v1(67.49,21.92) v1(67.64,25.86) v1(67.56,10.36) v1(68.1,25.86) v1(68.76,21.92) v1(69.83,25.49) v1(70.31,30.26) v1(70.72,43.14) v1(70.67,31.35) v1(70.76,30.28) v1(70.76,27.72) v1(70.76,15.43) v1(71.2,43.14) v1(71.17,27.72) v1(71.17,25.55) v1(71.21,14.59) v1(72.32,14.73) v1(72.81,14.73) v1(73.15,22.4) v1(73.15,21.89) v1(73.15,21.39) v1(73.15,20.75) v1(73.19,42.93) v1(73.25,19.41) v1(73.58,35.03) v1(73.58,34.62) v1(73.58,34.21) v1(73.58,33.81) v1(73.66,21.89) v1(73.66,21.39) v1(73.66,20.75) v1(73.66,20.24) v1(74.65,42.88) v1(75.31,42.87) v1(75.67,31.42) v1(75.7,30.29) v1(75.84,21.23) v1(75.9,42.85) v1(75.92,40.74) v1(75.9,22.71) v1(75.97,41.45) v1(76.83,33.25) v1(76.83,32.64) v1(76.83,32.05) v1(76.83,31.52) v1(76.83,16.21) v1(76.83,15.75) v1(76.83,14.68) v1(76.83,14.2) v1(76.94,19.56) v1(76.94,18.41) v1(77.03,25.57) v1(77.37,24.21) v1(77.42,22.76) v1(77.39,21.21) v1(77.37,19.71) v1(77.47,48.69) v1(77.47,48.06) v1(77.85,46.02) v1(77.93,40.82) v1(77.93,40.06) v1(77.93,39.04) v1(77.98,42.47) v1(77.98,41.71) v1(78.74,46.02) v1(78.77,31.22) v1(78.77,30.53) v1(79.11,40.82) v1(79.11,40.05) v1(79.11,39.04) v1(79.16,42.47) v1(79.16,41.7) v1(79.43,31.24) v1(79.43,30.56) v1(80.72,40.82) v1(80.72,40.06) v1(80.72,39.04) v1(80.77,42.47) v1(80.77,41.71) v1(81.61,10.95) v1(81.61,10.46) v1(81.74,40.82) v1(81.74,40.06) v1(81.79,43.23) v1(81.79,42.47) v1(81.79,41.71) v1(82.37,19.91) v1(82.55,22.69) v1(82.64,21.19) v1(82.75,40.82) v1(82.77,19.55) v1(82.78,18.39) v1(83.05,22.69) v1(83.11,16.69) v1(83.11,15.21) v1(83.11,13.74) v1(83.19,21.21) v1(83.19,19.74) v1(83.77,40.82) v1(83.87,27.66) v1(84.38,10.92) v1(84.38,10.36) v1(84.58,43.38) v1(84.58,42.8) v1(84.96,10.9) v1(84.96,10.36) v1(85.06,33.73) v1(85.06,33.27) v1(85.09,28.36) v1(85.22,43.38) v1(85.22,42.77) v1(85.36,22.74) v1(85.55,40.82) v1(85.55,39.8) v1(85.55,38.79) v1(85.55,37.77) v1(85.55,36.5) v1(85.55,35.48) v1(85.5,33.73) v1(85.5,33.27) v1(85.59,24.14)
